# KiCad board ae89fa26-SparkFun_Thing_Plus_ESP32-S3_panelized.kicad_pcb (continued)
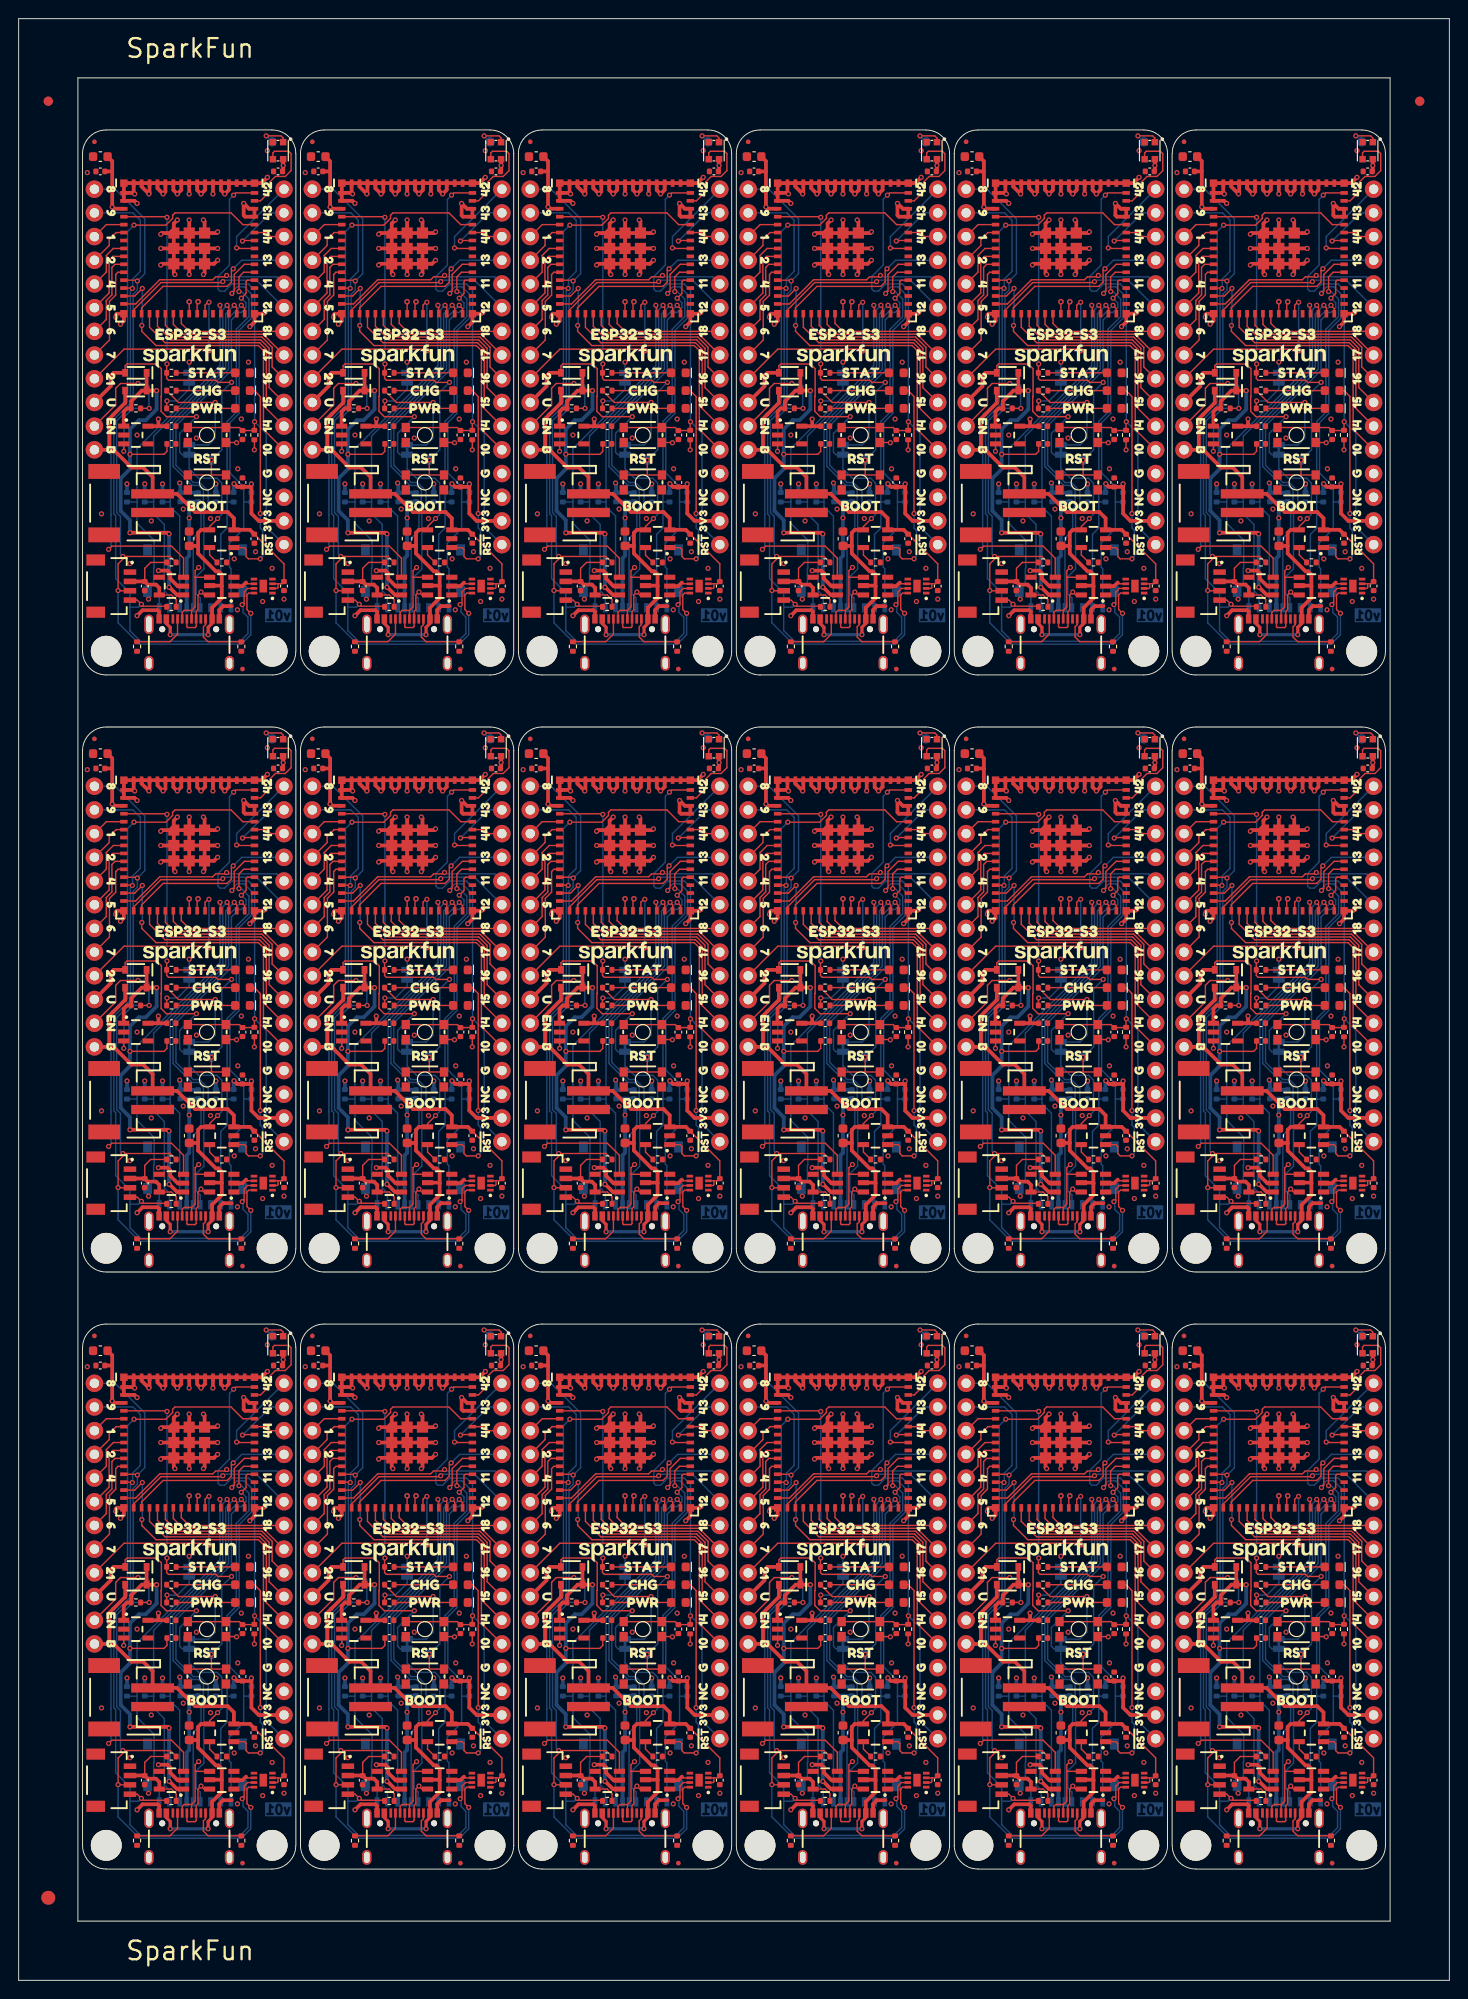
[diagram p0: board, top side]
## Placement (name value [footprint] x y rotation side) (continued)
FID1#8  Fiducial_0.5  [Fiducial_0.5mm_Mask1mm]  140.79 140.56 180 bottom
FID1#9  Fiducial_0.5  [Fiducial_0.5mm_Mask1mm]  94.07 140.56 180 bottom
FID1#10  Fiducial_0.5  [Fiducial_0.5mm_Mask1mm]  70.72 140.56 180 bottom
FID1#11  Fiducial_0.5  [Fiducial_0.5mm_Mask1mm]  140.79 76.57 180 bottom
FID1#12  Fiducial_0.5  [Fiducial_0.5mm_Mask1mm]  70.72 76.57 180 bottom
FID1#13  Fiducial_0.5  [Fiducial_0.5mm_Mask1mm]  94.07 12.57 180 bottom
FID1#14  Fiducial_0.5  [Fiducial_0.5mm_Mask1mm]  94.07 76.57 180 bottom
FID1#15  Fiducial_0.5  [Fiducial_0.5mm_Mask1mm]  140.79 12.57 180 bottom
FID1#16  Fiducial_0.5  [Fiducial_0.5mm_Mask1mm]  117.44 76.57 180 bottom
FID1#17  Fiducial_0.5  [Fiducial_0.5mm_Mask1mm]  117.44 140.56 180 bottom
FID1#18  Fiducial_0.5  [Fiducial_0.5mm_Mask1mm]  24 12.57 180 bottom
FID2  Fiducial_0.5  [Fiducial_0.5mm_Mask1mm]  31.48 69.08 180 bottom
FID2#2  Fiducial_0.5  [Fiducial_0.5mm_Mask1mm]  78.2 197.08 180 bottom
FID2#3  Fiducial_0.5  [Fiducial_0.5mm_Mask1mm]  8.12 197.08 180 bottom
FID2#4  Fiducial_0.5  [Fiducial_0.5mm_Mask1mm]  8.12 133.08 180 bottom
FID2#5  Fiducial_0.5  [Fiducial_0.5mm_Mask1mm]  78.2 133.08 180 bottom
FID2#6  Fiducial_0.5  [Fiducial_0.5mm_Mask1mm]  101.56 133.08 180 bottom
FID2#7  Fiducial_0.5  [Fiducial_0.5mm_Mask1mm]  124.92 197.08 180 bottom
FID2#8  Fiducial_0.5  [Fiducial_0.5mm_Mask1mm]  78.2 69.08 180 bottom
FID2#9  Fiducial_0.5  [Fiducial_0.5mm_Mask1mm]  124.92 69.08 180 bottom
FID2#10  Fiducial_0.5  [Fiducial_0.5mm_Mask1mm]  54.84 197.08 180 bottom
FID2#11  Fiducial_0.5  [Fiducial_0.5mm_Mask1mm]  31.48 197.08 180 bottom
FID2#12  Fiducial_0.5  [Fiducial_0.5mm_Mask1mm]  54.84 133.08 180 bottom
FID2#13  Fiducial_0.5  [Fiducial_0.5mm_Mask1mm]  101.56 197.08 180 bottom
FID2#14  Fiducial_0.5  [Fiducial_0.5mm_Mask1mm]  31.48 133.08 180 bottom
FID2#15  Fiducial_0.5  [Fiducial_0.5mm_Mask1mm]  101.56 69.08 180 bottom
FID2#16  Fiducial_0.5  [Fiducial_0.5mm_Mask1mm]  54.84 69.08 180 bottom
FID2#17  Fiducial_0.5  [Fiducial_0.5mm_Mask1mm]  124.92 133.08 180 bottom
FID2#18  Fiducial_0.5  [Fiducial_0.5mm_Mask1mm]  8.12 69.08 180 bottom
FID3  Fiducial_0.5  [Fiducial_0.5mm_Mask1mm]  124.92 69.08 0 top
FID3#2  Fiducial_0.5  [Fiducial_0.5mm_Mask1mm]  31.48 69.08 0 top
FID3#3  Fiducial_0.5  [Fiducial_0.5mm_Mask1mm]  124.92 197.08 0 top
FID3#4  Fiducial_0.5  [Fiducial_0.5mm_Mask1mm]  101.56 133.08 0 top
FID3#5  Fiducial_0.5  [Fiducial_0.5mm_Mask1mm]  31.48 197.08 0 top
FID3#6  Fiducial_0.5  [Fiducial_0.5mm_Mask1mm]  31.48 133.08 0 top
FID3#7  Fiducial_0.5  [Fiducial_0.5mm_Mask1mm]  78.2 197.08 0 top
FID3#8  Fiducial_0.5  [Fiducial_0.5mm_Mask1mm]  124.92 133.08 0 top
FID3#9  Fiducial_0.5  [Fiducial_0.5mm_Mask1mm]  54.84 133.08 0 top
FID3#10  Fiducial_0.5  [Fiducial_0.5mm_Mask1mm]  101.56 69.08 0 top
FID3#11  Fiducial_0.5  [Fiducial_0.5mm_Mask1mm]  78.2 133.08 0 top
FID3#12  Fiducial_0.5  [Fiducial_0.5mm_Mask1mm]  8.12 133.08 0 top
FID3#13  Fiducial_0.5  [Fiducial_0.5mm_Mask1mm]  54.84 69.08 0 top
FID3#14  Fiducial_0.5  [Fiducial_0.5mm_Mask1mm]  78.2 69.08 0 top
FID3#15  Fiducial_0.5  [Fiducial_0.5mm_Mask1mm]  101.56 197.08 0 top
FID3#16  Fiducial_0.5  [Fiducial_0.5mm_Mask1mm]  8.12 197.08 0 top
FID3#17  Fiducial_0.5  [Fiducial_0.5mm_Mask1mm]  54.84 197.08 0 top
FID3#18  Fiducial_0.5  [Fiducial_0.5mm_Mask1mm]  8.12 69.08 0 top
FID4  Fiducial_0.5  [Fiducial_0.5mm_Mask1mm]  94.07 140.56 0 top
FID4#2  Fiducial_0.5  [Fiducial_0.5mm_Mask1mm]  24 140.56 0 top
FID4#3  Fiducial_0.5  [Fiducial_0.5mm_Mask1mm]  117.44 76.57 0 top
FID4#4  Fiducial_0.5  [Fiducial_0.5mm_Mask1mm]  70.72 12.57 0 top
FID4#5  Fiducial_0.5  [Fiducial_0.5mm_Mask1mm]  47.35 12.57 0 top
FID4#6  Fiducial_0.5  [Fiducial_0.5mm_Mask1mm]  117.44 12.57 0 top
FID4#7  Fiducial_0.5  [Fiducial_0.5mm_Mask1mm]  140.79 12.57 0 top
FID4#8  Fiducial_0.5  [Fiducial_0.5mm_Mask1mm]  140.79 140.56 0 top
FID4#9  Fiducial_0.5  [Fiducial_0.5mm_Mask1mm]  94.07 12.57 0 top
FID4#10  Fiducial_0.5  [Fiducial_0.5mm_Mask1mm]  117.44 140.56 0 top
FID4#11  Fiducial_0.5  [Fiducial_0.5mm_Mask1mm]  47.35 76.57 0 top
FID4#12  Fiducial_0.5  [Fiducial_0.5mm_Mask1mm]  24 76.57 0 top
FID4#13  Fiducial_0.5  [Fiducial_0.5mm_Mask1mm]  70.72 140.56 0 top
FID4#14  Fiducial_0.5  [Fiducial_0.5mm_Mask1mm]  47.35 140.56 0 top
FID4#15  Fiducial_0.5  [Fiducial_0.5mm_Mask1mm]  140.79 76.57 0 top
FID4#16  Fiducial_0.5  [Fiducial_0.5mm_Mask1mm]  70.72 76.57 0 top
FID4#17  Fiducial_0.5  [Fiducial_0.5mm_Mask1mm]  94.07 76.57 0 top
FID4#18  Fiducial_0.5  [Fiducial_0.5mm_Mask1mm]  24 12.57 0 top
G3  OSHW_Logo  [Creative_Commons_License]  13.83 -5.85 0 top
G***  LOGO  [SparkFun_Logo_NoFlame_10mm]  18.28 110.22 0 top
G***#2  LOGO  [SparkFun_Logo_NoFlame_10mm]  18.28 174.22 0 top
G***#3  LOGO  [SparkFun_Logo_NoFlame_10mm]  41.64 46.22 0 top
G***#4  LOGO  [SparkFun_Logo_NoFlame_10mm]  41.64 110.22 0 top
G***#5  LOGO  [SparkFun_Logo_NoFlame_10mm]  41.64 174.22 0 top
G***#6  LOGO  [SparkFun_Logo_NoFlame_10mm]  65 46.22 0 top
G***#7  LOGO  [SparkFun_Logo_NoFlame_10mm]  88.36 174.22 0 top
G***#8  LOGO  [SparkFun_Logo_NoFlame_10mm]  111.72 46.22 0 top
G***#9  LOGO  [SparkFun_Logo_NoFlame_10mm]  135.08 46.22 0 top
G***#10  LOGO  [SparkFun_Logo_NoFlame_10mm]  18.28 46.22 0 top
G***#11  LOGO  [SparkFun_Logo_NoFlame_10mm]  135.08 110.22 0 top
G***#12  LOGO  [SparkFun_Logo_NoFlame_10mm]  135.08 174.22 0 top
G***#13  LOGO  [SparkFun_Logo_NoFlame_10mm]  65 110.22 0 top
G***#14  LOGO  [SparkFun_Logo_NoFlame_10mm]  88.36 110.22 0 top
G***#15  LOGO  [SparkFun_Logo_NoFlame_10mm]  111.72 110.22 0 top
G***#16  LOGO  [SparkFun_Logo_NoFlame_10mm]  65 174.22 0 top
G***#17  LOGO  [SparkFun_Logo_NoFlame_10mm]  88.36 46.22 0 top
G***#18  LOGO  [SparkFun_Logo_NoFlame_10mm]  111.72 174.22 0 top
G***#19  LOGO  [SparkFun_Logo_12.5mm]  88.36 185.02 270 bottom
G***#20  LOGO  [SparkFun_Logo_12.5mm]  65 185.02 270 bottom
G***#21  LOGO  [SparkFun_Logo_12.5mm]  18.28 121.02 270 bottom
G***#22  LOGO  [SparkFun_Logo_12.5mm]  41.64 121.02 270 bottom
G***#23  LOGO  [SparkFun_Logo_12.5mm]  65 57.02 270 bottom
G***#24  LOGO  [SparkFun_Logo_12.5mm]  18.28 185.02 270 bottom
G***#25  LOGO  [SparkFun_Logo_12.5mm]  41.64 185.02 270 bottom
G***#26  LOGO  [SparkFun_Logo_12.5mm]  65 121.02 270 bottom
G***#27  LOGO  [SparkFun_Logo_12.5mm]  111.72 57.02 270 bottom
G***#28  LOGO  [SparkFun_Logo_12.5mm]  41.64 57.02 270 bottom
G***#29  LOGO  [SparkFun_Logo_12.5mm]  88.36 57.02 270 bottom
G***#30  LOGO  [SparkFun_Logo_12.5mm]  135.08 121.02 270 bottom
G***#31  LOGO  [SparkFun_Logo_12.5mm]  88.36 121.02 270 bottom
G***#32  LOGO  [SparkFun_Logo_12.5mm]  111.72 185.02 270 bottom
G***#33  LOGO  [SparkFun_Logo_12.5mm]  111.72 121.02 270 bottom
G***#34  LOGO  [SparkFun_Logo_12.5mm]  135.08 185.02 270 bottom
G***#35  LOGO  [SparkFun_Logo_12.5mm]  135.08 57.02 270 bottom
G***#36  LOGO  [SparkFun_Logo_12.5mm]  18.28 57.02 270 bottom
J1  USB_C_Receptacle  [USB-C-16P]  18.28 82.28 0 top
J1#2  USB_C_Receptacle  [USB-C-16P]  65 18.28 0 top
J1#3  USB_C_Receptacle  [USB-C-16P]  41.64 82.28 0 top
J1#4  USB_C_Receptacle  [USB-C-16P]  88.36 18.28 0 top
J1#5  USB_C_Receptacle  [USB-C-16P]  88.36 82.28 0 top
J1#6  USB_C_Receptacle  [USB-C-16P]  111.72 18.28 0 top
J1#7  USB_C_Receptacle  [USB-C-16P]  111.72 146.28 0 top
J1#8  USB_C_Receptacle  [USB-C-16P]  65 82.28 0 top
J1#9  USB_C_Receptacle  [USB-C-16P]  135.08 18.28 0 top
J1#10  USB_C_Receptacle  [USB-C-16P]  135.08 82.28 0 top
J1#11  USB_C_Receptacle  [USB-C-16P]  135.08 146.28 0 top
J1#12  USB_C_Receptacle  [USB-C-16P]  41.64 146.28 0 top
J1#13  USB_C_Receptacle  [USB-C-16P]  65 146.28 0 top
J1#14  USB_C_Receptacle  [USB-C-16P]  111.72 82.28 0 top
J1#15  USB_C_Receptacle  [USB-C-16P]  18.28 146.28 0 top
J1#16  USB_C_Receptacle  [USB-C-16P]  41.64 18.28 0 top
J1#17  USB_C_Receptacle  [USB-C-16P]  88.36 146.28 0 top
J1#18  USB_C_Receptacle  [USB-C-16P]  18.28 18.28 0 top
J2  microSD_Friction  [microSD_Friction_Fit_Atom]  18.92 23.11 180 bottom
J2#2  microSD_Friction  [microSD_Friction_Fit_Atom]  112.35 23.11 180 bottom
J2#3  microSD_Friction  [microSD_Friction_Fit_Atom]  135.72 23.11 180 bottom
J2#4  microSD_Friction  [microSD_Friction_Fit_Atom]  42.28 151.11 180 bottom
J2#5  microSD_Friction  [microSD_Friction_Fit_Atom]  65.63 23.11 180 bottom
J2#6  microSD_Friction  [microSD_Friction_Fit_Atom]  89 151.11 180 bottom
J2#7  microSD_Friction  [microSD_Friction_Fit_Atom]  18.92 87.11 180 bottom
J2#8  microSD_Friction  [microSD_Friction_Fit_Atom]  89 23.11 180 bottom
J2#9  microSD_Friction  [microSD_Friction_Fit_Atom]  112.35 151.11 180 bottom
J2#10  microSD_Friction  [microSD_Friction_Fit_Atom]  135.72 87.11 180 bottom
J2#11  microSD_Friction  [microSD_Friction_Fit_Atom]  42.28 23.11 180 bottom
J2#12  microSD_Friction  [microSD_Friction_Fit_Atom]  65.63 87.11 180 bottom
J2#13  microSD_Friction  [microSD_Friction_Fit_Atom]  18.92 151.11 180 bottom
J2#14  microSD_Friction  [microSD_Friction_Fit_Atom]  65.63 151.11 180 bottom
J2#15  microSD_Friction  [microSD_Friction_Fit_Atom]  42.28 87.11 180 bottom
J2#16  microSD_Friction  [microSD_Friction_Fit_Atom]  89 87.11 180 bottom
J2#17  microSD_Friction  [microSD_Friction_Fit_Atom]  112.35 87.11 180 bottom
J2#18  microSD_Friction  [microSD_Friction_Fit_Atom]  135.72 151.11 180 bottom
J3  JST_2mm_LiPo  [JST-2-SMD]  34.02 94.35 90 top
J3#2  JST_2mm_LiPo  [JST-2-SMD]  80.74 30.34 90 top
J3#3  JST_2mm_LiPo  [JST-2-SMD]  80.74 158.34 90 top
J3#4  JST_2mm_LiPo  [JST-2-SMD]  10.66 94.35 90 top
J3#5  JST_2mm_LiPo  [JST-2-SMD]  10.66 158.34 90 top
J3#6  JST_2mm_LiPo  [JST-2-SMD]  34.02 30.34 90 top
J3#7  JST_2mm_LiPo  [JST-2-SMD]  34.02 158.34 90 top
J3#8  JST_2mm_LiPo  [JST-2-SMD]  57.38 30.34 90 top
J3#9  JST_2mm_LiPo  [JST-2-SMD]  57.38 94.35 90 top
J3#10  JST_2mm_LiPo  [JST-2-SMD]  57.38 158.34 90 top
J3#11  JST_2mm_LiPo  [JST-2-SMD]  80.74 94.35 90 top
J3#12  JST_2mm_LiPo  [JST-2-SMD]  104.1 158.34 90 top
J3#13  JST_2mm_LiPo  [JST-2-SMD]  104.1 30.34 90 top
J3#14  JST_2mm_LiPo  [JST-2-SMD]  127.46 158.34 90 top
J3#15  JST_2mm_LiPo  [JST-2-SMD]  127.46 30.34 90 top
J3#16  JST_2mm_LiPo  [JST-2-SMD]  127.46 94.35 90 top
J3#17  JST_2mm_LiPo  [JST-2-SMD]  104.1 94.35 90 top
J3#18  JST_2mm_LiPo  [JST-2-SMD]  10.66 30.34 90 top
J4  Qwiic_Vertical  [JST04_1MM_RA]  11.93 21.46 270 top
J4#2  Qwiic_Vertical  [JST04_1MM_RA]  11.93 85.46 270 top
J4#3  Qwiic_Vertical  [JST04_1MM_RA]  58.65 21.46 270 top
J4#4  Qwiic_Vertical  [JST04_1MM_RA]  35.29 149.46 270 top
J4#5  Qwiic_Vertical  [JST04_1MM_RA]  11.93 149.46 270 top
J4#6  Qwiic_Vertical  [JST04_1MM_RA]  58.65 85.46 270 top
J4#7  Qwiic_Vertical  [JST04_1MM_RA]  35.29 21.46 270 top
J4#8  Qwiic_Vertical  [JST04_1MM_RA]  35.29 85.46 270 top
J4#9  Qwiic_Vertical  [JST04_1MM_RA]  58.65 149.46 270 top
J4#10  Qwiic_Vertical  [JST04_1MM_RA]  82.01 85.46 270 top
J4#11  Qwiic_Vertical  [JST04_1MM_RA]  105.37 21.46 270 top
J4#12  Qwiic_Vertical  [JST04_1MM_RA]  128.73 21.46 270 top
J4#13  Qwiic_Vertical  [JST04_1MM_RA]  128.73 85.46 270 top
J4#14  Qwiic_Vertical  [JST04_1MM_RA]  128.73 149.46 270 top
J4#15  Qwiic_Vertical  [JST04_1MM_RA]  105.37 85.46 270 top
J4#16  Qwiic_Vertical  [JST04_1MM_RA]  82.01 21.46 270 top
J4#17  Qwiic_Vertical  [JST04_1MM_RA]  82.01 149.46 270 top
J4#18  Qwiic_Vertical  [JST04_1MM_RA]  105.37 149.46 270 top
JP1  ~  [SMT-JUMPER_2_NC_TRACE_SILK]  18.28 36.06 270 bottom
JP1#2  ~  [SMT-JUMPER_2_NC_TRACE_SILK]  111.72 36.06 270 bottom
JP1#3  ~  [SMT-JUMPER_2_NC_TRACE_SILK]  41.64 36.06 270 bottom
JP1#4  ~  [SMT-JUMPER_2_NC_TRACE_SILK]  18.28 100.06 270 bottom
JP1#5  ~  [SMT-JUMPER_2_NC_TRACE_SILK]  18.28 164.06 270 bottom
JP1#6  ~  [SMT-JUMPER_2_NC_TRACE_SILK]  41.64 100.06 270 bottom
JP1#7  ~  [SMT-JUMPER_2_NC_TRACE_SILK]  41.64 164.06 270 bottom
JP1#8  ~  [SMT-JUMPER_2_NC_TRACE_SILK]  65 100.06 270 bottom
JP1#9  ~  [SMT-JUMPER_2_NC_TRACE_SILK]  65 164.06 270 bottom
JP1#10  ~  [SMT-JUMPER_2_NC_TRACE_SILK]  88.36 36.06 270 bottom
JP1#11  ~  [SMT-JUMPER_2_NC_TRACE_SILK]  65 36.06 270 bottom
JP1#12  ~  [SMT-JUMPER_2_NC_TRACE_SILK]  88.36 100.06 270 bottom
JP1#13  ~  [SMT-JUMPER_2_NC_TRACE_SILK]  88.36 164.06 270 bottom
JP1#14  ~  [SMT-JUMPER_2_NC_TRACE_SILK]  135.08 36.06 270 bottom
JP1#15  ~  [SMT-JUMPER_2_NC_TRACE_SILK]  111.72 100.06 270 bottom
JP1#16  ~  [SMT-JUMPER_2_NC_TRACE_SILK]  135.08 164.06 270 bottom
JP1#17  ~  [SMT-JUMPER_2_NC_TRACE_SILK]  111.72 164.06 270 bottom
JP1#18  ~  [SMT-JUMPER_2_NC_TRACE_SILK]  135.08 100.06 270 bottom
JP4  ~  [SMT-JUMPER_2_NC_TRACE_SILK]  18.28 171.79 90 bottom
JP4#2  ~  [SMT-JUMPER_2_NC_TRACE_SILK]  18.28 107.79 90 bottom
JP4#3  ~  [SMT-JUMPER_2_NC_TRACE_SILK]  65 107.79 90 bottom
JP4#4  ~  [SMT-JUMPER_2_NC_TRACE_SILK]  88.36 107.79 90 bottom
JP4#5  ~  [SMT-JUMPER_2_NC_TRACE_SILK]  41.64 107.79 90 bottom
JP4#6  ~  [SMT-JUMPER_2_NC_TRACE_SILK]  88.36 43.79 90 bottom
JP4#7  ~  [SMT-JUMPER_2_NC_TRACE_SILK]  88.36 171.79 90 bottom
JP4#8  ~  [SMT-JUMPER_2_NC_TRACE_SILK]  111.72 107.79 90 bottom
JP4#9  ~  [SMT-JUMPER_2_NC_TRACE_SILK]  135.08 43.79 90 bottom
JP4#10  ~  [SMT-JUMPER_2_NC_TRACE_SILK]  111.72 43.79 90 bottom
JP4#11  ~  [SMT-JUMPER_2_NC_TRACE_SILK]  41.64 43.79 90 bottom
JP4#12  ~  [SMT-JUMPER_2_NC_TRACE_SILK]  41.64 171.79 90 bottom
JP4#13  ~  [SMT-JUMPER_2_NC_TRACE_SILK]  65 171.79 90 bottom
JP4#14  ~  [SMT-JUMPER_2_NC_TRACE_SILK]  111.72 171.79 90 bottom
JP4#15  ~  [SMT-JUMPER_2_NC_TRACE_SILK]  135.08 171.79 90 bottom
JP4#16  ~  [SMT-JUMPER_2_NC_TRACE_SILK]  65 43.79 90 bottom
JP4#17  ~  [SMT-JUMPER_2_NC_TRACE_SILK]  135.08 107.79 90 bottom
JP4#18  ~  [SMT-JUMPER_2_NC_TRACE_SILK]  18.28 43.79 90 bottom
kibuzzard-656A1BAC  G***  [kibuzzard-656A1BAC]  142.83 64 180 bottom
kibuzzard-656A1BAC#2  G***  [kibuzzard-656A1BAC]  142.83 192 180 bottom
kibuzzard-656A1BAC#3  G***  [kibuzzard-656A1BAC]  26.03 192 180 bottom
kibuzzard-656A1BAC#4  G***  [kibuzzard-656A1BAC]  49.39 64 180 bottom
kibuzzard-656A1BAC#5  G***  [kibuzzard-656A1BAC]  72.75 192 180 bottom
kibuzzard-656A1BAC#6  G***  [kibuzzard-656A1BAC]  96.11 64 180 bottom
kibuzzard-656A1BAC#7  G***  [kibuzzard-656A1BAC]  119.47 192 180 bottom
kibuzzard-656A1BAC#8  G***  [kibuzzard-656A1BAC]  49.39 128 180 bottom
kibuzzard-656A1BAC#9  G***  [kibuzzard-656A1BAC]  49.39 192 180 bottom
kibuzzard-656A1BAC#10  G***  [kibuzzard-656A1BAC]  26.03 128 180 bottom
kibuzzard-656A1BAC#11  G***  [kibuzzard-656A1BAC]  72.75 128 180 bottom
kibuzzard-656A1BAC#12  G***  [kibuzzard-656A1BAC]  96.11 128 180 bottom
kibuzzard-656A1BAC#13  G***  [kibuzzard-656A1BAC]  72.75 64 180 bottom
kibuzzard-656A1BAC#14  G***  [kibuzzard-656A1BAC]  96.11 192 180 bottom
kibuzzard-656A1BAC#15  G***  [kibuzzard-656A1BAC]  119.47 64 180 bottom
kibuzzard-656A1BAC#16  G***  [kibuzzard-656A1BAC]  119.47 128 180 bottom
kibuzzard-656A1BAC#17  G***  [kibuzzard-656A1BAC]  142.83 128 180 bottom
kibuzzard-656A1BAC#18  G***  [kibuzzard-656A1BAC]  26.03 64 180 bottom
kibuzzard-656A1BFB  G***  [kibuzzard-656A1BFB]  71.22 125.46 180 bottom
kibuzzard-656A1BFB#2  G***  [kibuzzard-656A1BFB]  24.5 125.46 180 bottom
kibuzzard-656A1BFB#3  G***  [kibuzzard-656A1BFB]  24.5 189.46 180 bottom
kibuzzard-656A1BFB#4  G***  [kibuzzard-656A1BFB]  47.86 61.46 180 bottom
kibuzzard-656A1BFB#5  G***  [kibuzzard-656A1BFB]  47.86 125.46 180 bottom
kibuzzard-656A1BFB#6  G***  [kibuzzard-656A1BFB]  47.86 189.46 180 bottom
kibuzzard-656A1BFB#7  G***  [kibuzzard-656A1BFB]  71.22 61.46 180 bottom
kibuzzard-656A1BFB#8  G***  [kibuzzard-656A1BFB]  71.22 189.46 180 bottom
kibuzzard-656A1BFB#9  G***  [kibuzzard-656A1BFB]  141.3 189.46 180 bottom
kibuzzard-656A1BFB#10  G***  [kibuzzard-656A1BFB]  141.3 61.46 180 bottom
kibuzzard-656A1BFB#11  G***  [kibuzzard-656A1BFB]  117.94 189.46 180 bottom
kibuzzard-656A1BFB#12  G***  [kibuzzard-656A1BFB]  117.94 61.46 180 bottom
kibuzzard-656A1BFB#13  G***  [kibuzzard-656A1BFB]  94.58 125.46 180 bottom
kibuzzard-656A1BFB#14  G***  [kibuzzard-656A1BFB]  141.3 125.46 180 bottom
kibuzzard-656A1BFB#15  G***  [kibuzzard-656A1BFB]  117.94 125.46 180 bottom
kibuzzard-656A1BFB#16  G***  [kibuzzard-656A1BFB]  94.58 189.46 180 bottom
kibuzzard-656A1BFB#17  G***  [kibuzzard-656A1BFB]  94.58 61.46 180 bottom
kibuzzard-656A1BFB#18  G***  [kibuzzard-656A1BFB]  24.5 61.46 180 bottom
kibuzzard-656A1C2E  G***  [kibuzzard-656A1C2E]  94.84 115.3 180 bottom
kibuzzard-656A1C2E#2  G***  [kibuzzard-656A1C2E]  141.56 179.3 180 bottom
kibuzzard-656A1C2E#3  G***  [kibuzzard-656A1C2E]  141.56 51.3 180 bottom
kibuzzard-656A1C2E#4  G***  [kibuzzard-656A1C2E]  94.84 51.3 180 bottom
kibuzzard-656A1C2E#5  G***  [kibuzzard-656A1C2E]  118.2 179.3 180 bottom
kibuzzard-656A1C2E#6  G***  [kibuzzard-656A1C2E]  71.48 51.3 180 bottom
kibuzzard-656A1C2E#7  G***  [kibuzzard-656A1C2E]  48.12 51.3 180 bottom
kibuzzard-656A1C2E#8  G***  [kibuzzard-656A1C2E]  48.12 179.3 180 bottom
kibuzzard-656A1C2E#9  G***  [kibuzzard-656A1C2E]  71.48 179.3 180 bottom
kibuzzard-656A1C2E#10  G***  [kibuzzard-656A1C2E]  118.2 115.3 180 bottom
kibuzzard-656A1C2E#11  G***  [kibuzzard-656A1C2E]  24.76 179.3 180 bottom
kibuzzard-656A1C2E#12  G***  [kibuzzard-656A1C2E]  24.76 115.3 180 bottom
kibuzzard-656A1C2E#13  G***  [kibuzzard-656A1C2E]  48.12 115.3 180 bottom
kibuzzard-656A1C2E#14  G***  [kibuzzard-656A1C2E]  94.84 179.3 180 bottom
kibuzzard-656A1C2E#15  G***  [kibuzzard-656A1C2E]  71.48 115.3 180 bottom
kibuzzard-656A1C2E#16  G***  [kibuzzard-656A1C2E]  118.2 51.3 180 bottom
kibuzzard-656A1C2E#17  G***  [kibuzzard-656A1C2E]  141.56 115.3 180 bottom
kibuzzard-656A1C2E#18  G***  [kibuzzard-656A1C2E]  24.76 51.3 180 bottom
kibuzzard-656A1C04  G***  [kibuzzard-656A1C04]  118.2 122.92 180 bottom
kibuzzard-656A1C04#2  G***  [kibuzzard-656A1C04]  141.56 122.92 180 bottom
kibuzzard-656A1C04#3  G***  [kibuzzard-656A1C04]  71.48 186.92 180 bottom
kibuzzard-656A1C04#4  G***  [kibuzzard-656A1C04]  24.76 122.92 180 bottom
kibuzzard-656A1C04#5  G***  [kibuzzard-656A1C04]  48.12 122.92 180 bottom
kibuzzard-656A1C04#6  G***  [kibuzzard-656A1C04]  24.76 186.92 180 bottom
kibuzzard-656A1C04#7  G***  [kibuzzard-656A1C04]  48.12 58.92 180 bottom
kibuzzard-656A1C04#8  G***  [kibuzzard-656A1C04]  48.12 186.92 180 bottom
kibuzzard-656A1C04#9  G***  [kibuzzard-656A1C04]  71.48 122.92 180 bottom
kibuzzard-656A1C04#10  G***  [kibuzzard-656A1C04]  94.84 58.92 180 bottom
kibuzzard-656A1C04#11  G***  [kibuzzard-656A1C04]  71.48 58.92 180 bottom
kibuzzard-656A1C04#12  G***  [kibuzzard-656A1C04]  94.84 122.92 180 bottom
kibuzzard-656A1C04#13  G***  [kibuzzard-656A1C04]  94.84 186.92 180 bottom
kibuzzard-656A1C04#14  G***  [kibuzzard-656A1C04]  118.2 58.92 180 bottom
kibuzzard-656A1C04#15  G***  [kibuzzard-656A1C04]  118.2 186.92 180 bottom
kibuzzard-656A1C04#16  G***  [kibuzzard-656A1C04]  141.56 58.92 180 bottom
kibuzzard-656A1C04#17  G***  [kibuzzard-656A1C04]  141.56 186.92 180 bottom
kibuzzard-656A1C04#18  G***  [kibuzzard-656A1C04]  24.76 58.92 180 bottom
kibuzzard-656A1C4C  G***  [kibuzzard-656A1C4C]  26.28 112.76 180 bottom
kibuzzard-656A1C4C#2  G***  [kibuzzard-656A1C4C]  49.64 48.76 180 bottom
kibuzzard-656A1C4C#3  G***  [kibuzzard-656A1C4C]  49.64 176.76 180 bottom
kibuzzard-656A1C4C#4  G***  [kibuzzard-656A1C4C]  96.36 48.76 180 bottom
kibuzzard-656A1C4C#5  G***  [kibuzzard-656A1C4C]  73 176.76 180 bottom
kibuzzard-656A1C4C#6  G***  [kibuzzard-656A1C4C]  119.72 112.76 180 bottom
kibuzzard-656A1C4C#7  G***  [kibuzzard-656A1C4C]  26.28 176.76 180 bottom
kibuzzard-656A1C4C#8  G***  [kibuzzard-656A1C4C]  49.64 112.76 180 bottom
kibuzzard-656A1C4C#9  G***  [kibuzzard-656A1C4C]  73 48.76 180 bottom
kibuzzard-656A1C4C#10  G***  [kibuzzard-656A1C4C]  73 112.76 180 bottom
kibuzzard-656A1C4C#11  G***  [kibuzzard-656A1C4C]  96.36 112.76 180 bottom
kibuzzard-656A1C4C#12  G***  [kibuzzard-656A1C4C]  96.36 176.76 180 bottom
kibuzzard-656A1C4C#13  G***  [kibuzzard-656A1C4C]  119.72 48.76 180 bottom
kibuzzard-656A1C4C#14  G***  [kibuzzard-656A1C4C]  119.72 176.76 180 bottom
kibuzzard-656A1C4C#15  G***  [kibuzzard-656A1C4C]  143.08 112.76 180 bottom
kibuzzard-656A1C4C#16  G***  [kibuzzard-656A1C4C]  143.08 176.76 180 bottom
kibuzzard-656A1C4C#17  G***  [kibuzzard-656A1C4C]  143.08 48.76 180 bottom
kibuzzard-656A1C4C#18  G***  [kibuzzard-656A1C4C]  26.28 48.76 180 bottom
kibuzzard-656A1C9C  G***  [kibuzzard-656A1C9C]  49.51 38.6 180 bottom
kibuzzard-656A1C9C#2  G***  [kibuzzard-656A1C9C]  49.51 102.6 180 bottom
kibuzzard-656A1C9C#3  G***  [kibuzzard-656A1C9C]  72.87 166.6 180 bottom
kibuzzard-656A1C9C#4  G***  [kibuzzard-656A1C9C]  96.23 102.6 180 bottom
kibuzzard-656A1C9C#5  G***  [kibuzzard-656A1C9C]  119.59 102.6 180 bottom
kibuzzard-656A1C9C#6  G***  [kibuzzard-656A1C9C]  72.87 38.6 180 bottom
kibuzzard-656A1C9C#7  G***  [kibuzzard-656A1C9C]  26.15 102.6 180 bottom
kibuzzard-656A1C9C#8  G***  [kibuzzard-656A1C9C]  26.15 166.6 180 bottom
kibuzzard-656A1C9C#9  G***  [kibuzzard-656A1C9C]  72.87 102.6 180 bottom
kibuzzard-656A1C9C#10  G***  [kibuzzard-656A1C9C]  49.51 166.6 180 bottom
kibuzzard-656A1C9C#11  G***  [kibuzzard-656A1C9C]  96.23 38.6 180 bottom
kibuzzard-656A1C9C#12  G***  [kibuzzard-656A1C9C]  96.23 166.6 180 bottom
kibuzzard-656A1C9C#13  G***  [kibuzzard-656A1C9C]  119.59 38.6 180 bottom
kibuzzard-656A1C9C#14  G***  [kibuzzard-656A1C9C]  119.59 166.6 180 bottom
kibuzzard-656A1C9C#15  G***  [kibuzzard-656A1C9C]  142.95 38.6 180 bottom
kibuzzard-656A1C9C#16  G***  [kibuzzard-656A1C9C]  142.95 102.6 180 bottom
kibuzzard-656A1C9C#17  G***  [kibuzzard-656A1C9C]  142.95 166.6 180 bottom
kibuzzard-656A1C9C#18  G***  [kibuzzard-656A1C9C]  26.15 38.6 180 bottom
kibuzzard-656A1C15  G***  [kibuzzard-656A1C15]  71.22 120.38 180 bottom
kibuzzard-656A1C15#2  G***  [kibuzzard-656A1C15]  117.94 56.38 180 bottom
kibuzzard-656A1C15#3  G***  [kibuzzard-656A1C15]  47.86 184.38 180 bottom
kibuzzard-656A1C15#4  G***  [kibuzzard-656A1C15]  94.58 120.38 180 bottom
kibuzzard-656A1C15#5  G***  [kibuzzard-656A1C15]  94.58 184.38 180 bottom
kibuzzard-656A1C15#6  G***  [kibuzzard-656A1C15]  24.5 184.38 180 bottom
kibuzzard-656A1C15#7  G***  [kibuzzard-656A1C15]  47.86 56.38 180 bottom
kibuzzard-656A1C15#8  G***  [kibuzzard-656A1C15]  47.86 120.38 180 bottom
kibuzzard-656A1C15#9  G***  [kibuzzard-656A1C15]  71.22 56.38 180 bottom
kibuzzard-656A1C15#10  G***  [kibuzzard-656A1C15]  24.5 120.38 180 bottom
kibuzzard-656A1C15#11  G***  [kibuzzard-656A1C15]  71.22 184.38 180 bottom
kibuzzard-656A1C15#12  G***  [kibuzzard-656A1C15]  94.58 56.38 180 bottom
kibuzzard-656A1C15#13  G***  [kibuzzard-656A1C15]  117.94 120.38 180 bottom
kibuzzard-656A1C15#14  G***  [kibuzzard-656A1C15]  141.3 56.38 180 bottom
kibuzzard-656A1C15#15  G***  [kibuzzard-656A1C15]  141.3 120.38 180 bottom
kibuzzard-656A1C15#16  G***  [kibuzzard-656A1C15]  141.3 184.38 180 bottom
kibuzzard-656A1C15#17  G***  [kibuzzard-656A1C15]  117.94 184.38 180 bottom
kibuzzard-656A1C15#18  G***  [kibuzzard-656A1C15]  24.5 56.38 180 bottom
kibuzzard-656A1C24  G***  [kibuzzard-656A1C24]  94.71 53.84 180 bottom
kibuzzard-656A1C24#2  G***  [kibuzzard-656A1C24]  71.35 181.84 180 bottom
kibuzzard-656A1C24#3  G***  [kibuzzard-656A1C24]  94.71 181.84 180 bottom
kibuzzard-656A1C24#4  G***  [kibuzzard-656A1C24]  47.99 117.84 180 bottom
kibuzzard-656A1C24#5  G***  [kibuzzard-656A1C24]  47.99 53.84 180 bottom
kibuzzard-656A1C24#6  G***  [kibuzzard-656A1C24]  118.07 181.84 180 bottom
kibuzzard-656A1C24#7  G***  [kibuzzard-656A1C24]  71.35 117.84 180 bottom
kibuzzard-656A1C24#8  G***  [kibuzzard-656A1C24]  141.43 117.84 180 bottom
kibuzzard-656A1C24#9  G***  [kibuzzard-656A1C24]  141.43 181.84 180 bottom
kibuzzard-656A1C24#10  G***  [kibuzzard-656A1C24]  71.35 53.84 180 bottom
kibuzzard-656A1C24#11  G***  [kibuzzard-656A1C24]  24.63 181.84 180 bottom
kibuzzard-656A1C24#12  G***  [kibuzzard-656A1C24]  141.43 53.84 180 bottom
kibuzzard-656A1C24#13  G***  [kibuzzard-656A1C24]  94.71 117.84 180 bottom
kibuzzard-656A1C24#14  G***  [kibuzzard-656A1C24]  47.99 181.84 180 bottom
kibuzzard-656A1C24#15  G***  [kibuzzard-656A1C24]  118.07 117.84 180 bottom
kibuzzard-656A1C24#16  G***  [kibuzzard-656A1C24]  118.07 53.84 180 bottom
kibuzzard-656A1C24#17  G***  [kibuzzard-656A1C24]  24.63 117.84 180 bottom
kibuzzard-656A1C24#18  G***  [kibuzzard-656A1C24]  24.63 53.84 180 bottom
kibuzzard-656A1C93  G***  [kibuzzard-656A1C93]  49.51 164.06 180 bottom
kibuzzard-656A1C93#2  G***  [kibuzzard-656A1C93]  96.23 164.06 180 bottom
kibuzzard-656A1C93#3  G***  [kibuzzard-656A1C93]  96.23 100.06 180 bottom
kibuzzard-656A1C93#4  G***  [kibuzzard-656A1C93]  49.51 100.06 180 bottom
kibuzzard-656A1C93#5  G***  [kibuzzard-656A1C93]  26.15 164.06 180 bottom
kibuzzard-656A1C93#6  G***  [kibuzzard-656A1C93]  72.87 36.06 180 bottom
kibuzzard-656A1C93#7  G***  [kibuzzard-656A1C93]  72.87 100.06 180 bottom
kibuzzard-656A1C93#8  G***  [kibuzzard-656A1C93]  72.87 164.06 180 bottom
kibuzzard-656A1C93#9  G***  [kibuzzard-656A1C93]  26.15 100.06 180 bottom
kibuzzard-656A1C93#10  G***  [kibuzzard-656A1C93]  142.95 164.06 180 bottom
kibuzzard-656A1C93#11  G***  [kibuzzard-656A1C93]  119.59 100.06 180 bottom
kibuzzard-656A1C93#12  G***  [kibuzzard-656A1C93]  142.95 100.06 180 bottom
kibuzzard-656A1C93#13  G***  [kibuzzard-656A1C93]  119.59 164.06 180 bottom
kibuzzard-656A1C93#14  G***  [kibuzzard-656A1C93]  119.59 36.06 180 bottom
kibuzzard-656A1C93#15  G***  [kibuzzard-656A1C93]  49.51 36.06 180 bottom
kibuzzard-656A1C93#16  G***  [kibuzzard-656A1C93]  96.23 36.06 180 bottom
kibuzzard-656A1C93#17  G***  [kibuzzard-656A1C93]  142.95 36.06 180 bottom
kibuzzard-656A1C93#18  G***  [kibuzzard-656A1C93]  26.15 36.06 180 bottom
kibuzzard-656A1CA0  G***  [kibuzzard-656A1CA0]  143.08 41.14 180 bottom
kibuzzard-656A1CA0#2  G***  [kibuzzard-656A1CA0]  143.08 169.14 180 bottom
kibuzzard-656A1CA0#3  G***  [kibuzzard-656A1CA0]  96.36 169.14 180 bottom
kibuzzard-656A1CA0#4  G***  [kibuzzard-656A1CA0]  119.72 105.14 180 bottom
kibuzzard-656A1CA0#5  G***  [kibuzzard-656A1CA0]  119.72 41.14 180 bottom
kibuzzard-656A1CA0#6  G***  [kibuzzard-656A1CA0]  119.72 169.14 180 bottom
kibuzzard-656A1CA0#7  G***  [kibuzzard-656A1CA0]  143.08 105.14 180 bottom
kibuzzard-656A1CA0#8  G***  [kibuzzard-656A1CA0]  26.28 105.14 180 bottom
kibuzzard-656A1CA0#9  G***  [kibuzzard-656A1CA0]  73 169.14 180 bottom
kibuzzard-656A1CA0#10  G***  [kibuzzard-656A1CA0]  26.28 169.14 180 bottom
kibuzzard-656A1CA0#11  G***  [kibuzzard-656A1CA0]  49.64 41.14 180 bottom
kibuzzard-656A1CA0#12  G***  [kibuzzard-656A1CA0]  73 105.14 180 bottom
kibuzzard-656A1CA0#13  G***  [kibuzzard-656A1CA0]  73 41.14 180 bottom
kibuzzard-656A1CA0#14  G***  [kibuzzard-656A1CA0]  96.36 41.14 180 bottom
kibuzzard-656A1CA0#15  G***  [kibuzzard-656A1CA0]  96.36 105.14 180 bottom
kibuzzard-656A1CA0#16  G***  [kibuzzard-656A1CA0]  49.64 169.14 180 bottom
kibuzzard-656A1CA0#17  G***  [kibuzzard-656A1CA0]  49.64 105.14 180 bottom
kibuzzard-656A1CA0#18  G***  [kibuzzard-656A1CA0]  26.28 41.14 180 bottom
kibuzzard-656A1CA7  G***  [kibuzzard-656A1CA7]  26.28 107.68 180 bottom
kibuzzard-656A1CA7#2  G***  [kibuzzard-656A1CA7]  26.28 171.68 180 bottom
kibuzzard-656A1CA7#3  G***  [kibuzzard-656A1CA7]  49.64 43.68 180 bottom
kibuzzard-656A1CA7#4  G***  [kibuzzard-656A1CA7]  96.36 107.68 180 bottom
kibuzzard-656A1CA7#5  G***  [kibuzzard-656A1CA7]  143.08 171.68 180 bottom
kibuzzard-656A1CA7#6  G***  [kibuzzard-656A1CA7]  73 43.68 180 bottom
kibuzzard-656A1CA7#7  G***  [kibuzzard-656A1CA7]  96.36 171.68 180 bottom
kibuzzard-656A1CA7#8  G***  [kibuzzard-656A1CA7]  73 107.68 180 bottom
kibuzzard-656A1CA7#9  G***  [kibuzzard-656A1CA7]  119.72 107.68 180 bottom
kibuzzard-656A1CA7#10  G***  [kibuzzard-656A1CA7]  49.64 171.68 180 bottom
kibuzzard-656A1CA7#11  G***  [kibuzzard-656A1CA7]  119.72 43.68 180 bottom
kibuzzard-656A1CA7#12  G***  [kibuzzard-656A1CA7]  96.36 43.68 180 bottom
kibuzzard-656A1CA7#13  G***  [kibuzzard-656A1CA7]  143.08 107.68 180 bottom
kibuzzard-656A1CA7#14  G***  [kibuzzard-656A1CA7]  73 171.68 180 bottom
kibuzzard-656A1CA7#15  G***  [kibuzzard-656A1CA7]  49.64 107.68 180 bottom
kibuzzard-656A1CA7#16  G***  [kibuzzard-656A1CA7]  143.08 43.68 180 bottom
kibuzzard-656A1CA7#17  G***  [kibuzzard-656A1CA7]  119.72 171.68 180 bottom
kibuzzard-656A1CA7#18  G***  [kibuzzard-656A1CA7]  26.28 43.68 180 bottom
kibuzzard-656A1CAC  G***  [kibuzzard-656A1CAC]  119.72 110.22 180 bottom
kibuzzard-656A1CAC#2  G***  [kibuzzard-656A1CAC]  119.72 46.22 180 bottom
kibuzzard-656A1CAC#3  G***  [kibuzzard-656A1CAC]  119.72 174.22 180 bottom
kibuzzard-656A1CAC#4  G***  [kibuzzard-656A1CAC]  143.08 174.22 180 bottom
kibuzzard-656A1CAC#5  G***  [kibuzzard-656A1CAC]  96.36 110.22 180 bottom
kibuzzard-656A1CAC#6  G***  [kibuzzard-656A1CAC]  49.64 46.22 180 bottom
kibuzzard-656A1CAC#7  G***  [kibuzzard-656A1CAC]  143.08 110.22 180 bottom
kibuzzard-656A1CAC#8  G***  [kibuzzard-656A1CAC]  49.64 174.22 180 bottom
kibuzzard-656A1CAC#9  G***  [kibuzzard-656A1CAC]  96.36 174.22 180 bottom
kibuzzard-656A1CAC#10  G***  [kibuzzard-656A1CAC]  26.28 174.22 180 bottom
kibuzzard-656A1CAC#11  G***  [kibuzzard-656A1CAC]  73 174.22 180 bottom
kibuzzard-656A1CAC#12  G***  [kibuzzard-656A1CAC]  73 110.22 180 bottom
kibuzzard-656A1CAC#13  G***  [kibuzzard-656A1CAC]  26.28 110.22 180 bottom
kibuzzard-656A1CAC#14  G***  [kibuzzard-656A1CAC]  49.64 110.22 180 bottom
kibuzzard-656A1CAC#15  G***  [kibuzzard-656A1CAC]  73 46.22 180 bottom
kibuzzard-656A1CAC#16  G***  [kibuzzard-656A1CAC]  96.36 46.22 180 bottom
kibuzzard-656A1CAC#17  G***  [kibuzzard-656A1CAC]  143.08 46.22 180 bottom
kibuzzard-656A1CAC#18  G***  [kibuzzard-656A1CAC]  26.28 46.22 180 bottom
kibuzzard-656A1CB7  G***  [kibuzzard-656A1CB7]  95.98 33.52 180 bottom
kibuzzard-656A1CB7#2  G***  [kibuzzard-656A1CB7]  72.62 97.52 180 bottom
kibuzzard-656A1CB7#3  G***  [kibuzzard-656A1CB7]  25.9 97.52 180 bottom
kibuzzard-656A1CB7#4  G***  [kibuzzard-656A1CB7]  119.34 97.52 180 bottom
kibuzzard-656A1CB7#5  G***  [kibuzzard-656A1CB7]  142.7 161.52 180 bottom
kibuzzard-656A1CB7#6  G***  [kibuzzard-656A1CB7]  49.26 161.52 180 bottom
kibuzzard-656A1CB7#7  G***  [kibuzzard-656A1CB7]  95.98 97.52 180 bottom
kibuzzard-656A1CB7#8  G***  [kibuzzard-656A1CB7]  49.26 33.52 180 bottom
kibuzzard-656A1CB7#9  G***  [kibuzzard-656A1CB7]  25.9 161.52 180 bottom
kibuzzard-656A1CB7#10  G***  [kibuzzard-656A1CB7]  49.26 97.52 180 bottom
kibuzzard-656A1CB7#11  G***  [kibuzzard-656A1CB7]  72.62 33.52 180 bottom
kibuzzard-656A1CB7#12  G***  [kibuzzard-656A1CB7]  72.62 161.52 180 bottom
kibuzzard-656A1CB7#13  G***  [kibuzzard-656A1CB7]  95.98 161.52 180 bottom
kibuzzard-656A1CB7#14  G***  [kibuzzard-656A1CB7]  119.34 161.52 180 bottom
kibuzzard-656A1CB7#15  G***  [kibuzzard-656A1CB7]  142.7 97.52 180 bottom
kibuzzard-656A1CB7#16  G***  [kibuzzard-656A1CB7]  119.34 33.52 180 bottom
kibuzzard-656A1CB7#17  G***  [kibuzzard-656A1CB7]  142.7 33.52 180 bottom
